# Altium PCB PCB MODULE AM625.PcbDoc (part 3 of 4) (continued)
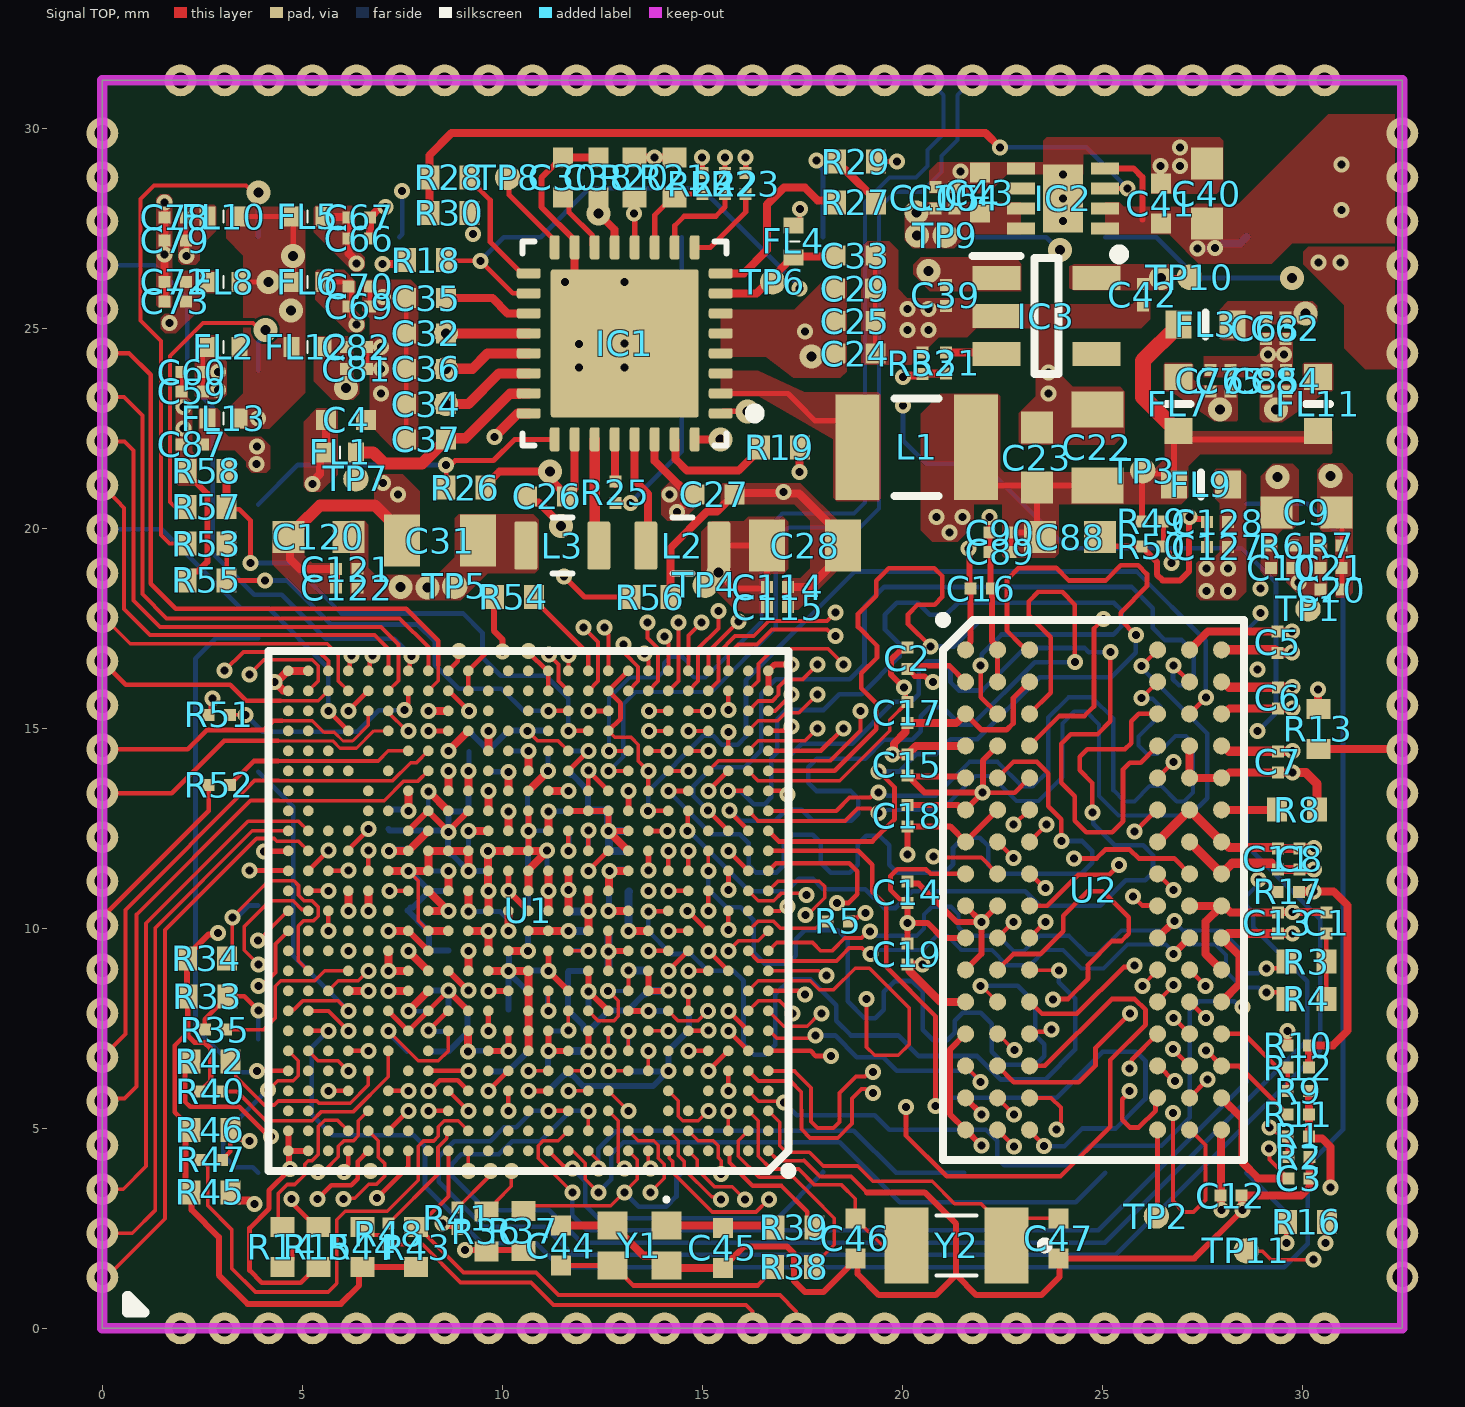
[diagram p0: Signal TOP view]
## Nets (pads, with @x,y where several pads share a name; then routed paths per layer and width w, separated by ;. In a path a pad name is that pad's centre, name@x,y a point inside that pad or via, vN(x,y) a via of type N, cw(c..) or ccw(c..) an arc to the next point about the centre after c; other vN are vias at no path point) (continued)
MMC1_D2: PIN1.92 PIN1.92_1 U1.C21 | length 21.7
  Signal TOP w0.09: v1(5.388,3.909) 5.447,3.968 5.583,3.968 5.901,4.287 5.901,4.549 6.036,4.684 6.271,4.684 6.401,4.815 6.401,5.187 U1.C21@6.65,5.436
  Signal RAM 1 w0.102: v1(5.388,3.909) 5.08,3.6 4.535,3.6 4.25,3.315 4.25,1.669 5.003,0.916 19.305,0.916 19.556,0.666 PIN1.92_1@19.556,0
MMC1_D3: PIN1.93 PIN1.93_1 U1.D22 | length 19.5
  Signal TOP w0.117: v1(5.65,5.936) U1.D22@6.15,5.936
  Signal RAM 2 w0.102: v1(5.65,5.936) 5.592,5.879 5.592,5.593 4.229,4.229 4.229,3.045 4.601,2.673 6.542,0.732 17.724,0.732 PIN1.93_1@18.456,0
MMC1_SDCD: PIN1.86 PIN1.86_1 U1.D17 | length 21.6
  Signal TOP w0.1: U1.D17@8.65,5.936 v1(9.15,5.436)
  Signal RAM 2 w0.102: v1(9.15,5.436) 9.15,4.702 9.352,4.5 10.546,4.5 10.954,4.092 10.954,2.66 11.373,2.241 24.521,2.241 26.156,0.606 PIN1.86_1@26.156,0
NetC1_1: C1.1 R3.2 R4.2 | length 1.6
  Signal TOP w0.117: R4.2@30.6,8.23 R3.2@30.6,9.167 C1.1@30.6,9.87
NetC30_1: C30.1 IC1.14 | length 1.6
  Signal TOP w0.13: C30.1@11.574,28.271 11.669,28.176 11.669,27.902 12.251,27.32 12.251,27.082 IC1.14@12.311,27.022
NetC44_2: C44.2 R38.1 Y1.3 | length 5.8
  Signal TOP w0.117: C44.2@11.467,1.568 Y1.3@12.75,1.568 12.775,1.568 13.273,1.07 16.38,1.07 16.795,1.485 R38.1@16.795,1.535
NetC45_2: C45.2 R39.1 Y1.1 | length 2.7
  Signal TOP w0.2: Y1.1@14.1,2.568 16.757,2.568 R39.1@16.8,2.525
NetC46_2: C46.2 U1.C2 Y2.2 | length 6.2
  Signal TOP w0.09: U1.C2@16.15,5.436 16.4,5.185 16.4,4.3 16.718,3.982 17.408,3.982 17.805,3.584 18.481,3.584 18.826,3.239 C46.2@18.826,2.745 19.496,2.075 Y2.2@20.111,2.075
NetC47_2: C47.2 U1.C1 Y2.1 | length 9.4
  Signal TOP w0.09: U1.C1@16.65,5.436 16.936,5.149 16.936,4.562 17.096,4.402 17.679,4.402 18.024,4.057 18.884,4.057 19.266,3.675 20.748,3.675 21.307,3.117 21.969,3.117 22.611,2.475 Y2.1@22.611,2.258 ; Y2.1@22.611,2.075 Y2.1@22.611,2.258 ; C47.2@23.911,2.75 23.103,2.75 Y2.1@22.611,2.258
NetC48_1: C48.1 U1.H15 | length 1
  Signal TOP w0.13: v1(9.65,7.436) U1.H15@9.65,7.936
  Signal Bottom w0.13: v1(9.65,7.436) 9.65,7.95 C48.1@9.665,7.965
NetC49_1: C49.1 U1.K18 | length 1.4
  Signal TOP w0.2: v1(7.65,9.436) U1.K18@8.15,8.936
  Signal Bottom w0.13: v1(7.65,9.436) 8.15,8.936 C49.1@8.149,8.921
NetC50_1: C50.1 U1.W17 | length 1
  Signal TOP w0.2: U1.W17@8.65,13.436 v1(8.65,13.932)
  Signal Bottom w0.13: C50.1@8.634,13.425 8.65,13.44 v1(8.65,13.932)
NetC51_1: C51.1 U1.P19 | length 1
  Signal TOP w0.117: v1(7.174,10.936) U1.P19@7.65,10.936
  Signal Bottom w0.117: v1(7.174,10.936) C51.1@7.649,10.936
NetC52_1: C52.1 U1.U7 | length 0.9
  Signal TOP w0.13: U1.U7@13.65,12.436 v1(14.125,12.436)
  Signal Bottom w0.117: C52.1@13.664,12.436 v1(14.125,12.436)
NetC53_1: C53.1 U1.H17 | length 1.2
  Signal TOP w0.117: v1(8.153,7.44) U1.H17@8.65,7.936
  Signal Bottom w0.13: v1(8.153,7.44) 8.172,7.421 C53.1@8.653,7.421
NetC54_1: C54.1 U1.J19 | length 1
  Signal TOP w0.2: v1(7.15,8.436) U1.J19@7.65,8.436
  Signal Bottom w0.13: v1(7.15,8.436) 7.165,8.421 C54.1@7.65,8.421
NetC55_1: C55.1 U1.H11 | length 1
  Signal TOP w0.09: v1(11.65,7.447) U1.H11@11.65,7.936
  Signal Bottom w0.13: C55.1@11.165,7.436 11.638,7.436 v1(11.65,7.447)
NetC56_1: C56.1 U1.G9 | length 1
  Signal TOP w0.09: v1(12.65,6.917) U1.G9@12.65,7.436
  Signal Bottom w0.117: C56.1@12.64,7.41 12.645,7.405 12.645,6.921 v1(12.65,6.917)
NetIC1_2: IC1.2 IC1.3 L1.1 | length 4.4
  Signal TOP w0.13: IC1.2@15.461,23.372 16.893,23.372 17.139,23.372 17.406,23.105 17.82,22.691 18.393,22.691 18.878,22.206 L1.1@18.878,22.022 ; L1.1@18.645,23.105 L1.1@18.878,22.872
NetIC1_8: IC1.8 R27.2 | length 4.6
  Signal TOP w0.2: IC1.8@15.461,26.372 16.037,26.372 16.621,26.956 16.621,28.099 17.039,28.517 17.563,28.517 17.88,28.2 18.289,28.2 R27.2@18.339,28.15
NetIC1_9: IC1.9 R23.2 | length 2.1
  Signal TOP w0.13: IC1.9@14.811,27.022 15.197,27.022 16.085,27.91 R23.2@16.085,28.354
NetIC1_10: IC1.10 R22.2 | length 2.3
  Signal TOP w0.13: IC1.10@14.311,27.022 14.311,27.563 14.55,27.801 15.335,27.801 15.57,28.036 R22.2@15.57,28.354
NetIC1_16: IC1.16 TP8.1 | length 2.2
  Signal TOP w0.13: TP8.1@10.134,28.771 10.168,28.736 10.168,28.34 11.311,27.197 IC1.16@11.311,27.022
NetIC1_17: IC1.17 R28.2 | length 3.1
  Signal TOP w0.13: R28.2@9.18,28.771 9.18,28.721 9.7,28.201 9.7,27.158 10.486,26.372 IC1.17@10.661,26.372
NetIC1_27: IC1.27 L3.1 | length 2.7
  Signal TOP w0.254: IC1.27@12.311,22.222 12.311,19.669 L3.1@12.412,19.568
NetIC1_28: IC1.28 R25.1 | length 1.1
  Signal TOP w0.13: R25.1@12.811,21.078 R25.1@12.811,21.165
  Signal TOP w0.2: IC1.28@12.811,22.222 12.818,22.215 12.818,21.172 R25.1@12.825,21.165
NetIC1_29: IC1.29 L2.1 | length 2.8
  Signal TOP w0.2: IC1.29@13.311,22.222 13.311,21.199 13.647,20.863 13.647,19.627 L2.1@13.587,19.568
NetIC3_3: IC3.3 R31.2 | length 1.3
  Signal TOP w0.2: R31.2@21.09,24.4 22.31,24.4 IC3.3@22.355,24.356
NetR5_2: R5.2 U1.M2 | length 2.1
  Signal TOP w0.09: U1.M2@16.15,9.936 16.393,10.179 16.779,10.179 16.953,10.005 17.836,10.005 R5.2@18.004,10.173
NetR8_1: R8.1 U2.F9 | length 1.4
  Signal TOP w0.2: U2.F9@27.981,12.961 29.36,12.961 R8.1@29.369,12.97
NetR13_2: R13.2 U1.AB1 | length 20.8
  Signal TOP w0.117: U1.AB1@16.65,14.936 17.039,14.936 17.153,15.05 v1(17.23,15.05)
  Signal TOP w0.2: v1(30.396,15.971) 30.396,15.492 R13.2@30.4,15.488
  Signal IO 2 w0.122: v1(17.23,15.05) 17.23,14.719 17.627,14.322 18.762,14.322 19.694,15.253 20.206,15.253 20.414,15.462 20.414,16.41 20.655,16.651 21.1,16.651 21.502,17.052 22.179,17.052 22.458,16.774 22.864,16.774 23.143,17.052 23.624,17.052 24.889,18.318 25.49,18.318 25.801,18.629 25.801,19.229 26.155,19.584 28.466,19.584 29.325,18.725 29.325,18.244 29.498,18.071 29.915,18.071 30.396,17.59 v1(30.396,15.971)
NetR14_2: R14.2 U1.B22 | length 4.1
  Signal TOP w0.09: R14.2@4.5,2.528 4.404,2.624 4.404,3.378 4.621,3.595 4.815,3.595 5.059,3.839 5.059,4.094 5.15,4.185 5.243,4.185 5.403,4.345 5.403,5.045 5.563,5.205 5.88,5.205 U1.B22@6.15,4.936
NetR16_2: R16.2 U1.D12 | length 23.3
  Signal TOP w0.117: v1(30.582,2.128) 30.582,2.633 R16.2@30.612,2.663
  Signal TOP w0.13: v1(10.65,5.936) U1.D12@11.15,5.936
  Signal IO 2 w0.122: v1(10.65,5.936) 10.65,4.606 10.946,4.31 11.602,4.31 11.616,4.324 16.393,4.324 17.493,3.225 27.127,3.225 27.868,2.484 30.226,2.484 v1(30.582,2.128)
NetR35_2: R35.2 U1.K22 | length 4.1
  Signal TOP w0.09: R35.2@3.094,7.469 4.037,7.469 4.325,7.756 4.325,8.554 4.458,8.687 5.315,8.687 5.563,8.936 U1.K22@6.15,8.936
NetR38_2: R38.2 U1.B2 | length 5.2
  Signal TOP w0.09: U1.B2@16.15,4.936 15.9,4.686 15.9,4.3 16.419,3.781 17.272,3.781 17.753,3.3 18.3,2.753 18.3,2.09 17.795,1.585 R38.2@17.795,1.535
NetR39_2: R39.2 U1.A3 | length 3.2
  Signal TOP w0.109: U1.A3@15.65,4.436 15.679,4.407 15.679,4.144 16.263,3.56 16.982,3.56 17.626,2.915 17.626,2.699 R39.2@17.8,2.525
NetR40_1: R40.1 U1.F20 | length 5.6
  Signal TOP w0.09: R40.1@2.971,5.921 3.366,5.921 4.095,5.192 5.25,5.192 5.467,5.409 6.269,5.409 7.15,6.29 U1.F20@7.15,6.936
NetR41_1: R41.1 U1.E11 | length 5.5
  Signal TOP w0.09: R41.1@8.885,3.015 9.641,3.77 9.641,3.877 v1(9.7,3.936) ; U1.E11@11.65,6.436 v1(12.138,6.436)
  Signal IO 1 w0.122: v1(9.7,3.936) 9.746,3.982 9.746,4.319 10.482,5.054 10.482,5.269 11.648,6.436 v1(12.138,6.436)
NetR42_2: R42.2 U1.E21 | length 4.7
  Signal TOP w0.09: R42.2@3.2,6.675 3.341,6.534 3.341,6.29 4.047,5.583 4.299,5.583 4.398,5.682 5.363,5.682 5.418,5.627 6.197,5.627 6.65,6.08 U1.E21@6.65,6.436
NetR47_2: R47.2 U1.B16 | length 12.6
  Signal TOP w0.09: R47.2@2.46,4.21 2.635,4.036 2.635,3.069 3.232,2.472 3.232,1.505 3.829,0.908 5.647,0.908 5.862,1.122 5.862,2.712 6.074,2.925 7.121,2.925 7.897,3.701 7.897,4.553 8.028,4.684 8.284,4.684 8.4,4.8 8.4,5.035 8.55,5.185 8.9,5.185 U1.B16@9.15,4.936
NetR48_2: R48.2 U1.B17 | length 2.9
  Signal TOP w0.09: R48.2@7.161,2.626 8.393,3.858 8.393,4.524 8.615,4.746 8.615,4.901 U1.B17@8.65,4.936
NetR51_2: R51.2 U1.AD19 | length 5.3
  Signal TOP w0.09: R51.2@3.188,15.334 3.19,15.336 v1(3.582,15.336)
  Signal TOP w0.117: v1(7.558,15.452) 7.558,15.529 7.65,15.62 U1.AD19@7.65,15.936
  Signal Bottom w0.117: v1(3.582,15.336) 4.006,14.912 6.369,14.912 6.908,15.452 v1(7.558,15.452)
NetR52_2: R52.2 U1.AA19 | length 4.8
  Signal TOP w0.09: 4.395,14.182 6.897,14.182 7.151,14.436 U1.AA19@7.65,14.436
  Signal TOP w0.117: R52.2@3.188,13.587 3.783,14.182 4.395,14.182
NetR53_1: R53.1 R55.2 U1.AC11 | length 11.1
  Signal TOP w0.117: R53.1@3.11,19.617 R55.2@3.11,18.7 3.116,18.694 v1(4.07,18.694) ; v1(11.15,15.436) U1.AC11@11.65,15.436
  Signal Bottom w0.117: v1(4.07,18.694) 4.627,18.694 5.726,17.594 7.889,17.594 8.313,17.17 8.313,16.594 8.915,15.992 9.98,15.992 10.537,15.436 v1(11.15,15.436)
NetR54_2: R54.2 U1.AE10 | length 2.4
  Signal TOP w0.117: R54.2@10.786,18.28 10.786,18.23 12.15,16.867 U1.AE10@12.15,16.436
NetR56_2: R56.2 U1.AC9 | length 6
  Signal TOP w0.122: v1(12.15,15.436) U1.AC9@12.65,15.436
  Signal TOP w0.13: v1(11.545,18.796) 11.545,18.791 12.056,18.28 R56.2@13.2,18.28
  Signal IO 1 w0.122: v1(11.545,18.796) 11.545,17.475 12.15,16.871 v1(12.15,15.436)
NetR57_1: R57.1 R58.2 U1.AB10 | length 13.7
  Signal TOP w0.117: R57.1@3.163,20.477 3.424,20.477 3.703,20.197 v1(3.703,19.131) ; v1(11.65,14.936) U1.AB10@12.15,14.936
  Signal TOP w0.2: R58.2@3.11,21.433 R57.1@3.11,20.53 R57.1@3.163,20.477
  Signal Bottom w0.117: v1(3.703,19.131) 4.72,19.131 5.981,17.87 9.023,17.87 9.503,17.391 9.503,16.776 9.963,16.316 11.084,16.316 11.65,15.75 v1(11.65,14.936)
NetTP2_1: TP2.1 U2.T7 | length 2.2
  Signal TOP w0.13: TP2.1@26.352,2.806 26.381,2.835 U2.T7@26.381,4.961
NetTP11_1: TP11.1 U1.E7 | length 24
  Signal TOP w0.09: U1.E7@13.65,6.436 v1(13.65,6.936) ; TP11.1@28.6,1.936 28.605,1.931 29,1.931 29.212,1.719 v1(30.274,1.719)
  Signal IO 2 w0.122: v1(13.65,6.936) 13.65,5.052 14.015,4.686 16.727,4.686 17.838,3.575 30,3.575 31.025,2.55 31.025,1.969 30.775,1.719 v1(30.274,1.719)
OLDI0_A0_N: PIN1.49 PIN1.49_1 U1.AA5 | length 25.1
  Signal TOP w0.104: U1.AA5@14.65,14.436 v1(15.149,14.436)
  Signal IO 1 w0.104: v1(15.149,14.436) 15.771,14.436 16.135,14.799 16.135,16.549 17.506,17.92 17.506,19.668 18.546,20.708 18.546,20.96 18.245,21.261 18.245,21.533 18.474,21.762 18.78,21.762 19.06,21.482 19.32,21.482 20.715,22.877 23.951,22.877 24.74,23.666 24.74,29.286 25.431,29.976 25.431,30.825 PIN1.49_1@25.056,31.2
OLDI0_A0_P: PIN1.50 PIN1.50_1 U1.Y6 | length 25.1
  Signal TOP w0.104: U1.Y6@14.15,13.936 v1(14.653,13.936)
  Signal IO 1 w0.104: v1(14.653,13.936) 15.25,13.936 15.399,14.085 15.917,14.085 16.485,14.654 16.485,16.404 17.857,17.775 17.857,19.523 20.86,22.527 24.096,22.527 25.091,23.521 25.091,29.141 25.781,29.831 25.781,30.825 PIN1.50_1@26.156,31.2
OLDI0_A1_N: PIN1.48 PIN1.48_1 U1.AD3 | length 24.6
  Signal TOP w0.104: v1(15.65,15.459) U1.AD3@15.65,15.936
  Signal IO 2 w0.104: v1(15.65,15.459) 15.65,15.838 15.876,16.064 16.202,16.064 17.914,17.776 17.914,19.152 18.152,19.39 18.398,19.39 18.628,19.161 18.908,19.161 19.136,19.389 19.136,19.622 18.9,19.857 18.9,20.138 20.821,22.059 20.821,23.424 21.225,23.828 23.022,23.828 23.574,24.379 23.574,26.482 23.022,27.033 21.932,27.033 21.68,27.285 21.68,27.858 21.969,28.148 22.891,28.148 23.574,28.831 23.574,30.873 23.901,31.2 PIN1.48_1@23.956,31.2
OLDI0_A1_P: PIN1.47 PIN1.47_1 U1.AB4 | length 24.6
  Signal TOP w0.104: v1(14.649,14.936) U1.AB4@15.15,14.936
  Signal IO 2 w0.104: v1(14.649,14.936) 14.649,15.618 15.44,16.408 16.06,16.408 17.57,17.918 17.57,19.295 20.476,22.201 20.476,23.566 21.088,24.178 22.877,24.178 23.224,24.525 23.224,26.336 22.877,26.683 21.787,26.683 21.33,27.14 21.33,28.004 21.824,28.498 22.745,28.498 23.224,28.976 23.224,30.867 22.891,31.2 PIN1.47_1@22.856,31.2
OLDI0_A2_N: PIN1.46 PIN1.46_1 U1.Y8 | length 24.1
  Signal TOP w0.104: v1(12.649,13.936) U1.Y8@13.15,13.936
  Signal Bottom w0.104: v1(12.649,13.936) 12.666,13.936 13.025,14.295 13.025,15.607 13.328,15.911 15.231,15.911 16.837,17.517 16.837,19.707 17.147,20.017 18.943,20.017 19.42,20.494 19.42,28.008 19.824,28.412 20.486,28.412 20.983,28.909 20.983,29.309 21.384,29.709 21.384,30.828 PIN1.46_1@21.756,31.2
OLDI0_A2_P: PIN1.45 PIN1.45_1 U1.AA8 | length 24.1
  Signal TOP w0.104: v1(12.663,14.436) U1.AA8@13.15,14.436
  Signal Bottom w0.104: v1(12.663,14.436) 12.669,14.442 12.669,15.755 13.181,16.266 13.874,16.266 14.045,16.437 14.045,16.627 14.207,16.789 14.498,16.789 14.656,16.632 14.656,16.408 14.797,16.266 15.083,16.266 16.482,17.664 16.482,19.854 17,20.372 18.796,20.372 19.065,20.641 19.065,28.155 19.677,28.768 20.339,28.768 20.628,29.056 20.628,29.456 21.028,29.856 21.028,30.828 PIN1.45_1@20.656,31.2
OLDI0_A3_N: PIN1.43 PIN1.43_1 U1.AB6 | length 24.7
  Signal TOP w0.104: v1(13.673,14.936) U1.AB6@14.15,14.936
  Signal IO 2 w0.104: v1(13.673,14.936) 13.719,14.982 13.922,14.982 13.983,15.043 13.983,15.212 13.988,15.217 13.988,16.032 14.161,16.205 14.161,16.54 14.477,16.856 14.812,16.856 15.074,17.118 15.827,17.118 16.678,17.969 16.678,18.377 16.495,18.56 16.495,18.978 16.678,19.161 16.678,19.535 18.778,21.635 18.778,24.034 19.354,24.61 19.354,26.558 18.928,26.985 16.908,26.985 16.361,27.531 16.361,28.286 16.848,28.773 18.632,28.773 18.836,28.976 18.836,30.82 PIN1.43_1@18.456,31.2
OLDI0_A3_P: PIN1.44 PIN1.44_1 U1.AA7 | length 24.6
  Signal TOP w0.104: U1.AA7@13.65,14.436 v1(14.149,14.436)
  Signal IO 2 w0.104: v1(14.149,14.436) 14.177,14.463 14.177,14.741 14.334,14.898 14.334,15.067 14.339,15.072 14.339,15.887 15.219,16.767 15.972,16.767 17.028,17.823 17.028,19.39 19.122,21.484 19.122,23.891 19.698,24.468 19.698,26.71 19.073,27.336 17.053,27.336 16.712,27.677 16.712,28.141 16.993,28.422 18.777,28.422 19.186,28.831 19.186,30.8 19.556,31.169 PIN1.44_1@19.556,31.2
OLDI0_A4_N: PIN1.41 PIN1.41_1 U1.AC6 | length 25.3
  Signal TOP w0.104: v1(13.673,15.436) U1.AC6@14.15,15.436
  Signal IO 1 w0.104: v1(13.673,15.436) 14.522,15.436 14.79,15.704 14.79,16.083 16.631,17.924 16.631,18.952 16.319,19.264 15.773,19.264 15.741,19.297 15.741,19.572 15.497,19.816 15.153,19.816 15.104,19.767 15.104,20.747 15.65,21.293 16.337,21.293 16.631,21.586 16.631,23.727 16.251,24.107 14.169,24.107 13.683,24.593 13.683,25.829 14.197,26.344 16.251,26.344 16.631,26.724 16.631,30.825 PIN1.41_1@16.256,31.2
OLDI0_A4_P: PIN1.42 PIN1.42_1 U1.AC5 | length 25
  Signal TOP w0.104: U1.AC5@14.65,15.436 v1(15.141,15.436)
  Signal IO 1 w0.104: v1(15.141,15.436) 15.141,15.938 16.981,17.779 16.981,19.098 16.464,19.615 16.091,19.615 16.091,19.717 15.642,20.166 15.455,20.166 15.455,20.602 15.795,20.942 16.482,20.942 16.981,21.441 16.981,22.1 17.181,22.3 17.495,22.3 17.692,22.497 17.692,22.867 17.474,23.085 17.174,23.085 16.981,23.278 16.981,23.872 16.396,24.457 14.314,24.457 14.034,24.738 14.034,25.684 14.342,25.993 16.396,25.993 16.981,26.578 16.981,30.825 PIN1.42_1@17.356,31.2
OLDI0_A5_N: PIN1.40 PIN1.40_1 U1.AE5 | length 24.9
  Signal TOP w0.099: U1.AE5@14.65,16.436 14.65,17.325 v1(14.975,17.65)
  Signal IO 2 w0.104: v1(14.975,17.65) 14.975,17.73 14.863,17.842 14.863,18.41 15.082,18.63 15.228,18.484 15.572,18.484 15.816,18.728 15.816,18.807 16.091,19.083 16.091,19.639 16.26,19.807 16.26,20.097 16.253,20.104 16.253,20.212 16.546,20.504 16.546,20.841 16.26,21.127 16.26,21.378 16.679,21.798 16.685,21.791 17.708,21.791 17.913,21.997 17.913,22.006 18.172,22.265 18.172,23.159 17.967,23.365 17.958,23.365 17.479,23.843 14.842,23.843 14.526,24.159 14.532,24.166 14.532,24.536 14.857,24.861 14.864,24.855 16.554,24.855 16.56,24.861 17.043,25.344 17.043,26.208 16.574,26.677 14.951,26.677 14.623,27.004 14.623,29.912 14.781,30.07 14.781,30.825 PIN1.40_1@15.156,31.2
OLDI0_A5_P: PIN1.39 PIN1.39_1 U1.AD6 | length 25.3
  Signal TOP w0.099: U1.AD6@14.15,15.936 14.4,16.186 v1(14.4,17.65)
  Signal IO 2 w0.104: PIN1.39_1@14.056,31.2 14.431,30.825 14.431,30.215 14.273,30.057 14.273,26.859 14.806,26.326 16.429,26.326 16.692,26.063 16.692,25.489 16.408,25.205 15.009,25.205 15.002,25.212 14.712,25.212 14.182,24.682 14.182,24.311 14.175,24.305 14.175,24.014 14.697,23.493 17.334,23.493 17.813,23.014 17.822,23.014 17.822,22.41 17.563,22.151 17.563,22.142 16.831,22.142 16.824,22.148 16.534,22.148 15.909,21.524 15.909,20.363 15.903,20.357 15.903,19.959 15.909,19.952 15.635,19.678 15.741,19.572 15.741,19.297 15.572,19.466 15.227,19.466 14.984,19.222 14.984,19.027 14.512,18.555 14.512,17.842 14.4,17.73 v1(14.4,17.65)
OLDI0_A6_N: PIN1.38 PIN1.38_1 U1.AE6 | length 24.1
  Signal TOP w0.099: U1.AE6@14.15,16.436 14.15,17.119
  Signal IO 2 w0.104: PIN1.38_1@12.956,31.2 12.581,30.825 12.581,28.88 11.571,27.87 11.571,27.432 11.912,27.092 13.495,27.092 13.917,26.669 13.92,26.666 13.92,25.531 13.517,25.127 11.49,25.127 11.248,24.885 11.248,23.54 11.512,23.276 11.832,23.276 12.051,23.495 12.358,23.495 12.578,23.276 12.937,23.276 13.148,23.487 13.839,23.487 14.526,22.8 14.526,22.048 14.771,21.803 15.083,21.803 15.502,21.385 15.502,20.126 15.191,19.816 15.153,19.816 14.909,19.572 14.909,19.534 14.835,19.459 14.27,19.459 14.018,19.207 14.018,17.332 v1(14.05,17.3)
OLDI0_A6_P: PIN1.37 PIN1.37_1 U1.AD7 | length 24.6
  Signal TOP w0.099: v1(13.625,17.65) 13.625,17.263 13.898,16.99 13.898,16.184 U1.AD7@13.65,15.936
  Signal IO 2 w0.104: PIN1.37_1@11.856,31.2 12.231,30.825 12.231,29.025 11.221,28.015 11.221,27.287 11.767,26.741 13.358,26.741 13.573,26.527 13.576,26.524 13.576,25.673 13.374,25.471 11.348,25.471 10.904,25.027 10.904,23.397 11.369,22.931 11.496,22.931 11.503,22.925 13.905,22.925 14.175,22.654 14.175,21.903 14.626,21.453 14.938,21.453 15.152,21.239 15.152,20.272 15.046,20.166 15.008,20.166 14.651,19.81 14.125,19.81 13.667,19.352 13.667,17.692 v1(13.625,17.65)
OLDI0_A7_N: PIN1.35 PIN1.35_1 U1.AD8 | length 24.6
  Signal TOP w0.099: v1(13.025,17.1) 13.083,17.042 13.083,16.854 13.398,16.539 13.398,16.184 U1.AD8@13.15,15.936
  Signal IO 2 w0.104: PIN1.35_1@9.656,31.2 10.031,30.825 10.031,30.286 10.411,29.906 10.916,29.906 11.162,29.66 11.162,29.186 10.974,28.998 8.497,28.998 7.976,28.477 7.976,26.589 8.606,25.959 9.947,25.959 10.198,25.707 10.198,25.31 9.988,25.1 9.535,25.1 9.099,24.664 9.099,23.931 9.101,23.929 9.101,23.789 9.567,23.323 9.909,23.323 10.137,23.094 10.137,22.66 10.679,22.118 12.067,22.118 12.387,21.798 12.387,21.526 12.385,21.524 12.385,21.494 11.943,21.051 11.943,20.381 12.387,19.937 12.387,19.523 12.914,18.996 12.914,17.291 13.025,17.18 v1(13.025,17.1)
OLDI0_A7_P: PIN1.36 PIN1.36_1 U1.AE7 | length 24.6
  Signal TOP w0.099: v1(13.55,16.875) 13.55,16.794 13.65,16.694 U1.AE7@13.65,16.436
  Signal IO 2 w0.104: PIN1.36_1@10.756,31.2 10.381,30.825 10.381,30.431 10.556,30.256 11.061,30.256 11.513,29.805 11.513,29.041 11.122,28.651 10.167,28.651 9.994,28.478 9.994,28.286 9.86,28.153 9.614,28.153 9.483,28.283 9.483,28.483 9.312,28.654 8.64,28.654 8.32,28.335 8.32,26.731 8.749,26.303 10.089,26.303 10.542,25.85 10.542,25.167 10.124,24.749 9.68,24.749 9.45,24.519 9.45,23.933 9.712,23.672 10.053,23.672 10.486,23.239 10.486,22.805 10.824,22.467 12.067,22.467 12.211,22.467 12.735,21.943 12.735,21.348 12.293,20.906 12.293,20.526 12.735,20.084 12.735,19.668 13.263,19.14 13.263,17.447 13.545,17.165 13.545,16.88 v1(13.55,16.875)
OLDI0_CLK0_N: PIN1.53 PIN1.53_1 U1.AD4 | length 24.6
  Signal TOP w0.099: U1.AD4@15.15,15.936 15.402,16.188 15.402,16.886 15.821,17.306 16.286,17.306 16.662,17.682 18.12,17.682 18.325,17.886 v1(18.325,17.9)
  Signal IO 2 w0.104: v1(18.325,17.9) 18.405,17.9 18.526,17.779 18.681,17.779 19.614,18.712 19.614,20.227 21.94,22.552 24.742,22.552 29.831,27.641 29.831,30.825 PIN1.53_1@29.456,31.2
OLDI0_CLK0_P: PIN1.54 PIN1.54_1 U1.AE3 | length 24.6
  Signal TOP w0.099: U1.AE3@15.649,16.437 15.649,16.841 15.907,17.099 16.372,17.099 16.747,17.475 18.117,17.475 18.284,17.307 v1(18.325,17.307)
  Signal IO 2 w0.104: v1(18.325,17.307) 18.405,17.307 18.526,17.428 18.826,17.428 19.965,18.567 19.965,20.082 20.8,20.917 21.502,20.917 21.733,21.148 21.733,21.85 22.085,22.202 24.887,22.202 30.181,27.496 30.181,30.825 PIN1.54_1@30.556,31.2
OLDI0_CLK1_N: PIN1.52 PIN1.52_1 U1.AE4 | length 24.3
  Signal TOP w0.099: U1.AE4@15.15,16.436 15.15,16.915 v1(15.9,17.665)
  Signal RAM 2 w0.097: v1(15.9,17.665) 15.9,17.951 16.363,18.415 16.363,19.54 17.01,20.187 17.441,20.187 17.578,20.05 17.578,19.773 17.717,19.634 17.934,19.634 18.077,19.777 18.077,20.044 18.22,20.187 19.43,20.187 20.542,21.299 22.648,21.299 25.309,23.96 25.309,26.775 26.028,27.493 27.14,27.493 27.981,28.334 27.981,30.825 PIN1.52_1@28.356,31.2
OLDI0_CLK1_P: PIN1.51 PIN1.51_1 U1.AD5 | length 24.1
  Signal TOP w0.099: U1.AD5@14.65,15.936 14.898,16.184 14.898,16.99 15.399,17.492 v1(15.399,17.936)
  Signal RAM 2 w0.097: v1(15.399,17.936) 16.005,18.541 16.005,19.667 16.868,20.53 19.288,20.53 20.4,21.642 22.506,21.642 24.966,24.102 24.966,26.917 25.886,27.836 26.998,27.836 27.638,28.476 27.638,30.818 PIN1.51_1@27.256,31.2
OLDI_RESETn: PIN1.110 U1.H24 | length 26.7
  Signal TOP w0.1: U1.H24@5.15,7.936 5.65,7.936 v1(6.15,7.436)
  Signal RAM 2 w0.102: v1(6.15,7.436) 5.234,8.352 5.234,12.234 6.659,13.659 6.659,15.659 5.663,16.656 5.663,22.75 5.278,23.135 5.278,27.731 5.978,28.43 v1(7.499,28.43)
  Signal Bottom w0.117: PIN1.110@7.429,27.279 7.499,27.348 v1(7.499,28.43)
PMIC_PBn: IC1.25 PIN1.135 R26.2 | length 8.7
  Signal TOP w0.117: R26.2@8.579,21.018 8.597,21.036 8.597,21.466 v1(8.597,21.585)
  Signal TOP w0.13: v1@8.597,21.466 8.825,21.695 9.782,21.695 10.31,22.222 IC1.25@11.311,22.222
  Signal Bottom w0.117: PIN1.135@3.9,20.595 4.89,21.585 v1(8.597,21.585)
PMIC_PGOOD: IC1.18 PIN1.111 R18.1 U1.D2 | length 55.5
  Signal TOP w0.09: U1.D2@16.15,5.936 16.406,5.679 17.009,5.679 v1(17.048,5.64)
  Signal TOP w0.117: R18.1@8.597,26.705 8.615,26.687 v1(9.45,26.687) 10.258,25.879 10.654,25.879 IC1.18@10.661,25.872
  Signal RAM 1 w0.102: v1(28.503,8.029) 28.503,11.575 28.883,11.955 v1(28.883,14.93)
  Signal IO 1 w0.122: v1(17.433,26) 17.433,25.68 20.019,23.094 v1(20.019,23.073)
  Signal Bottom w0.117: v1(9.45,26.687) 10.042,27.279 PIN1.111@10.958,27.279 12.177,28.498 14.975,28.498 17.433,26.04 v1(17.433,26) ; v1(17.048,5.64) 17.361,5.328 19.312,5.328 19.675,4.965 22.092,4.965 22.371,4.686 22.371,4.255 22.548,4.078 24.205,4.078 24.688,4.561 26.48,4.561 27.189,5.27 27.189,7.94 27.422,8.173 28.293,8.173 28.437,8.029 v1(28.503,8.029) ; v1(20.019,23.073) 20.019,22.191 20.598,21.612 22.014,21.612 24.126,19.5 28.48,19.5 29.344,18.636 29.344,15.391 v1(28.883,14.93)
PMIC_STBY: IC1.31 R19.1 | length 3
  Signal TOP w0.13: R19.1@16.437,21.972 R19.1@16.437,22.022
  Signal TOP w0.2: IC1.31@14.311,22.222 14.336,22.197 14.336,21.726 14.621,21.441 15.906,21.441 R19.1@16.437,21.972
PORz_OUT: PIN1.129 R42.1 | length 7.2
  Signal TOP w0.117: R42.1@2.2,6.675 2.068,6.543 2.068,5.667 2.2,5.535 3.424,5.535 4.158,4.8 v1(4.213,4.8)
  Signal RAM 1 w0.102: v1(4.213,4.8) 4.627,4.387 6.257,4.387 v1(6.709,3.935)
  Signal Bottom w0.117: v1(6.709,3.935) 6.734,3.91 7.404,3.91 PIN1.129@7.429,3.885
RESETSTATz: PIN1.112 R25.2 U1.F22 | length 28.8
  Signal TOP w0.117: U1.F22@6.15,6.936 v1(6.65,6.936) ; R25.2@12.825,20.635 v1(13.2,20.635)
  Signal RAM 1 w0.102: v1(6.65,6.936) 6.65,7.943 5.164,9.429 5.164,17.952 7.847,20.635 v1(13.2,20.635)
  Signal Bottom w0.117: v1(13.2,20.635) 14.487,21.922 PIN1.112@14.487,27.279
RGMII1_RD0: PIN1.25 PIN1.25_1 PIN1.25_2 U1.AB17 | length 19.2
  Signal TOP w0.13: v1(8.153,14.936) U1.AB17@8.65,14.936
  Signal IO 1 w0.122: PIN1.25_2@0,27.679 2.67,27.679 3.279,27.071 3.279,24.838 4.498,23.619 4.498,17.856 7.06,15.294 7.06,14.949 7.471,14.537 7.925,14.537 8.1,14.712 8.1,14.883 v1(8.153,14.936)
RGMII1_RD1: PIN1.26 PIN1.26_1 PIN1.26_2 U1.AC17 | length 18
  Signal TOP w0.2: v1(8.15,15.436) U1.AC17@8.65,15.436
  Signal IO 2 w0.122: PIN1.26_2@0,28.779 0.022,28.757 0.511,28.757 0.775,28.494 0.775,22.63 6.138,17.267 6.954,17.267 7.265,16.956 7.265,16.318 7.608,15.975 7.61,15.975 v1(8.15,15.436)
RGMII1_RD2: PIN1.27 PIN1.27_1 PIN1.27_2 U1.AB16 | length 20.8
  Signal TOP w0.2: v1(8.65,14.436) U1.AB16@9.15,14.936
  Signal IO 2 w0.122: PIN1.27_2@0,29.879 0.763,29.879 1.108,29.534 1.108,22.826 6.367,17.567 7.426,17.567 8.061,16.932 8.061,16.088 8.503,15.646 8.503,14.646 8.65,14.5 v1(8.65,14.436)
RGMII1_RD3: PIN1.28 PIN1.28_1 U1.AA15 | length 20.8
  Signal TOP w0.2: U1.AA15@9.65,14.436 9.651,14.438 9.651,14.934 v1(9.653,14.936)
  Signal IO 2 w0.122: PIN1.28_1@1.956,31.2 1.956,29.863 2.65,29.169 2.65,24.76 4.331,23.079 4.331,20.172 6.658,17.845 7.566,17.845 8.327,17.084 8.327,16.336 8.798,15.866 8.798,15.209 9.071,14.936 v1(9.653,14.936)
RGMII1_RX_CTL: PIN1.30 PIN1.30_1 U1.AE17 | length 19.1
  Signal TOP w0.114: U1.AE17@8.65,16.436 8.886,16.672 8.886,16.907 v1(8.915,16.936)
  Signal IO 2 w0.122: PIN1.30_1@4.156,31.2 4.156,29.534 3.387,28.765 3.387,24.963 4.856,23.495 4.856,20.664 6.073,19.447 8.434,19.447 9.252,18.629 9.252,17.273 v1(8.915,16.936)
RGMII1_RXC: PIN1.29 PIN1.29_1 U1.AD17 | length 20.8
  Signal TOP w0.117: U1.AD17@8.65,15.936 8.657,15.936 9.157,15.436 v1(9.165,15.436)
  Signal IO 2 w0.122: PIN1.29_1@3.056,31.2 3.056,24.811 4.573,23.294 4.573,20.425 5.951,19.047 8.379,19.047 8.967,18.46 8.967,17.771 8.58,17.384 8.58,16.561 9.165,15.976 v1(9.165,15.436)
RGMII1_TD0: PIN1.19 PIN1.19_1 PIN1.19_2 U1.AE20 | length 11
  Signal TOP w0.1: PIN1.19_2@0.154,21.079 PIN1.19_2@0,21.079 0.543,20.511 0.543,17.982 1.192,17.333 6.801,17.333 7.15,16.984 U1.AE20@7.15,16.436
RGMII1_TD1: PIN1.20 PIN1.20_1 PIN1.20_2 U1.AD20 | length 13
  Signal TOP w0.09: U1.AD20@7.15,15.936 7.405,16.191 7.405,17.094 7.396,17.103
  Signal TOP w0.1: PIN1.20_2@0,22.179 0.007,22.172 0.55,22.172 0.779,21.943 0.779,18.196 1.44,17.535 6.964,17.535 7.396,17.103
RGMII1_TD2: PIN1.21 PIN1.21_1 PIN1.21_2 U1.AE18 | length 14
  Signal TOP w0.1: PIN1.21_2@0,23.279 0.546,23.279 1,22.825 1,18.356 1.606,17.75 7.433,17.75 8.15,17.034 U1.AE18@8.15,16.436
RGMII1_TD3: PIN1.22 PIN1.22_1 PIN1.22_2 U1.AD18 | length 15.8
  Signal TOP w0.09: U1.AD18@8.15,15.936 8.4,16.186 8.4,16.576
  Signal TOP w0.117: PIN1.22_2@0,24.379 0.667,24.379 1.208,23.838 1.208,18.616 1.836,17.989 3.525,17.989 ; 3.526,17.99 7.595,17.99 8.4,17.185 8.4,16.576
RGMII1_TX_CTL: PIN1.23 PIN1.23_1 PIN1.23_2 R51.1 | length 11.6
  Signal TOP w0.12: R51.1@2.658,15.334 2.709,15.386 2.709,15.693 v1(2.76,15.744)
  Signal IO 1 w0.122: PIN1.23_2@0,25.479 0.108,25.371 0.583,25.371 1.385,24.568 1.385,17.119 v1(2.76,15.744)